# KiCad board main_display_board.kicad_pcb (continued)
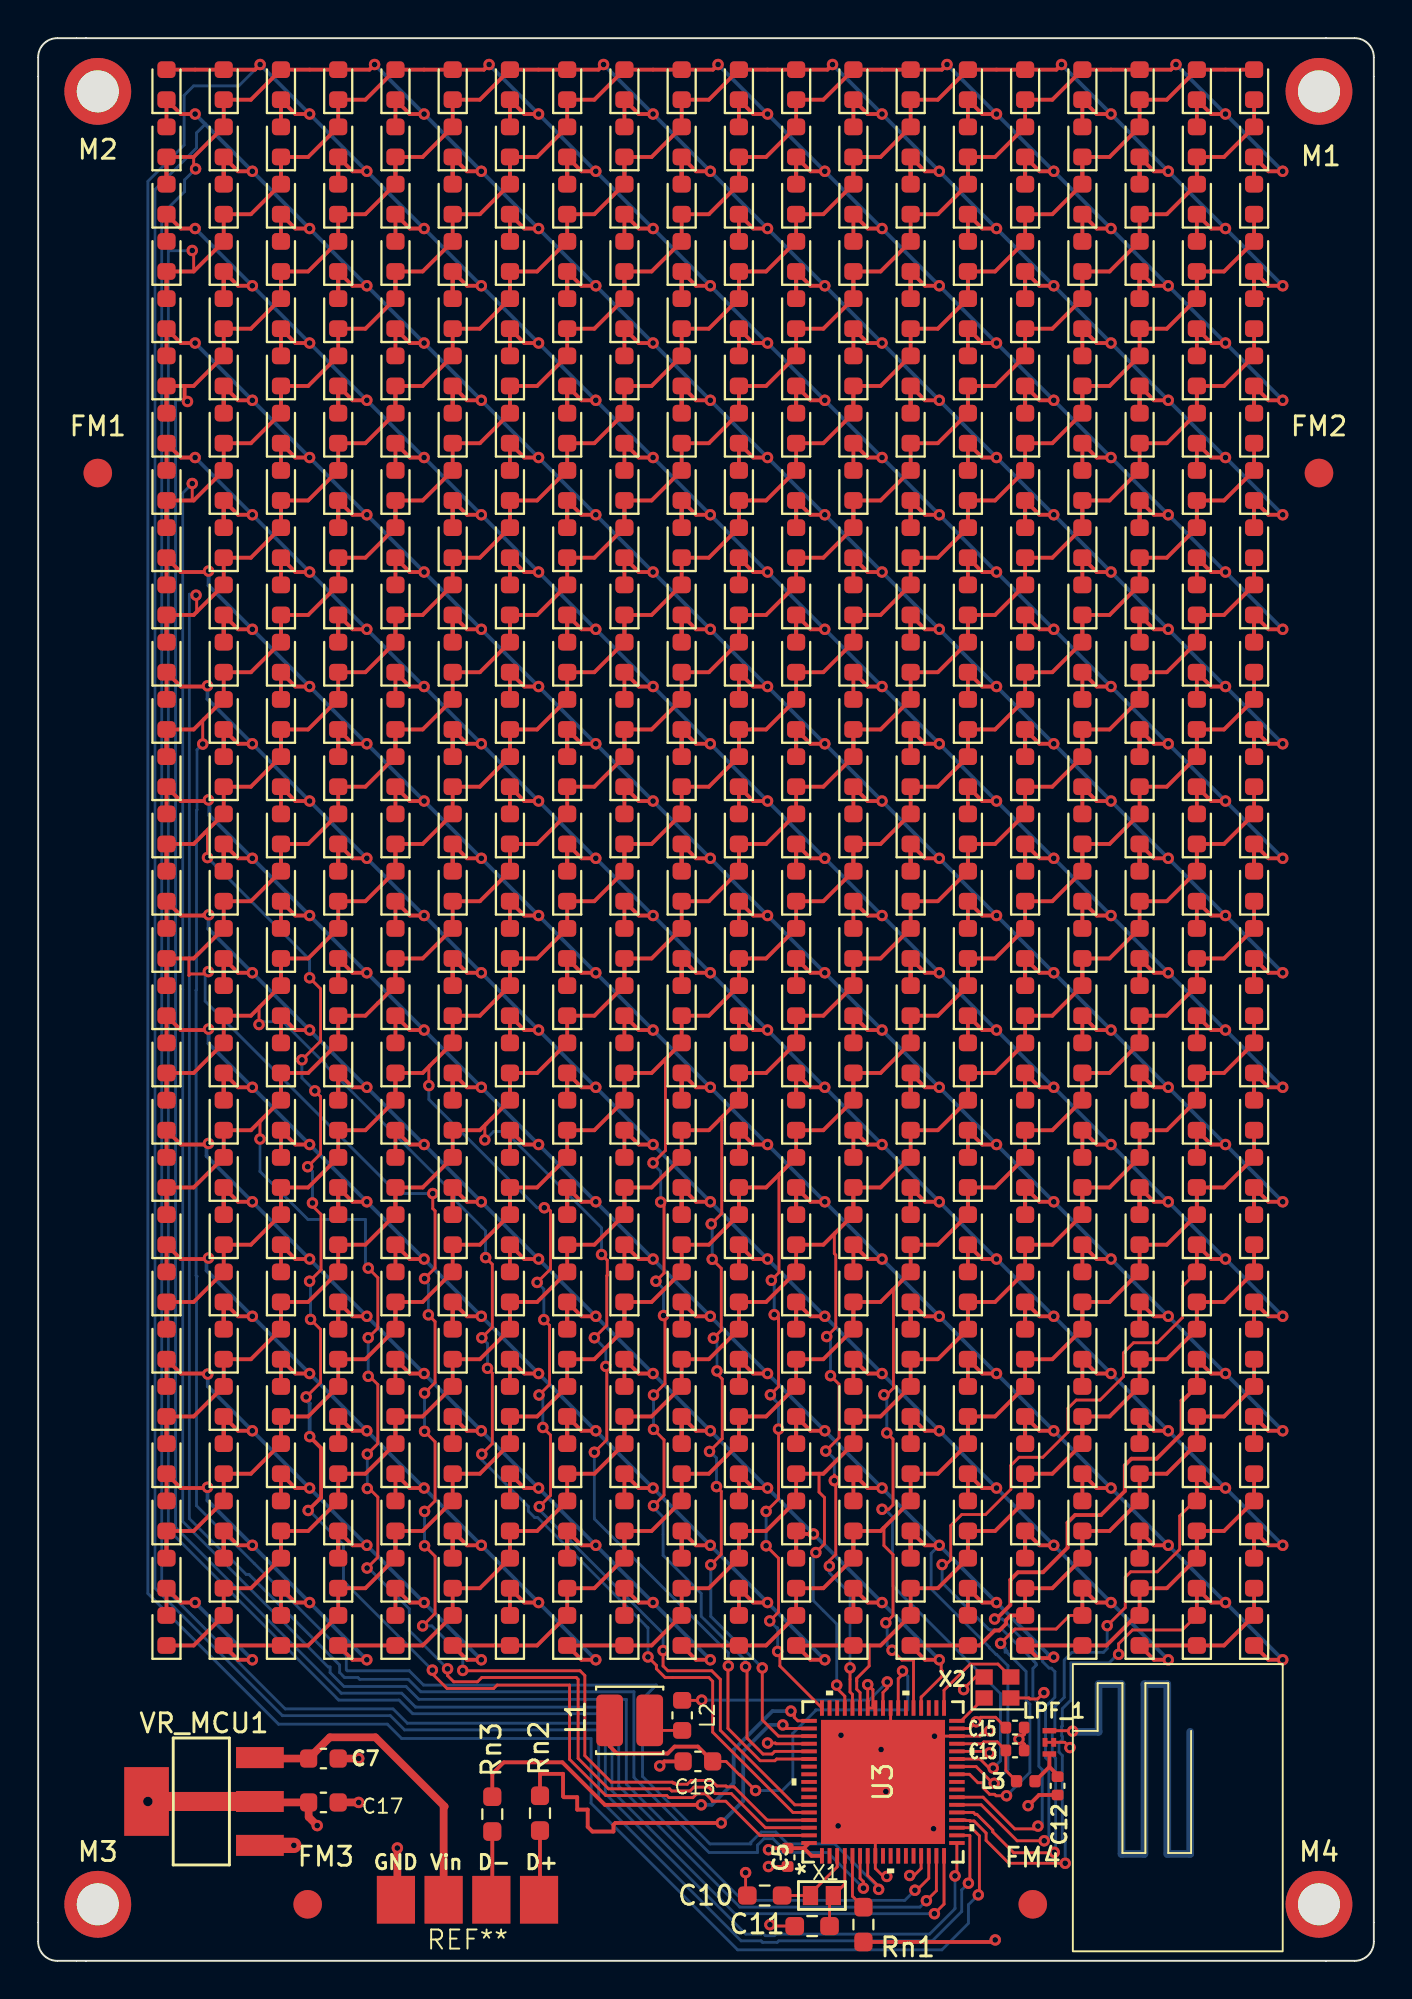
[diagram p0: board, top side]
## Routing (per net, layer and track width the routed paths; a pad name or vN(x,y) marks a point on that pad's centre or on a via; arc(x,y) is an arc through that point) (continued)
LED_27: length 143.9
  Top w0.15: 42.65,15.35 v1(42.55,15.35) 42.55,14.09 42.68,13.96 U3.47 ; v1(41.32,32.71) 41.8,33.19 41.8,36.99 41.73,37.06 41.73,38.1 41.76,38.13 ; v1(41.46,20.69) 41.46,20.96 41.8,21.3 41.8,24.94 41.73,25.01 v1(41.73,25.16) 41.73,25.46 ; v1(41.52,30.66) 41.97,30.21 41.97,27.41 v1(41.27,26.71)
  Top w0.2: REF**499.2 30.73,28.56 ; REF**499.2 REF**457.1 32.15,28.53 REF**458.2 REF**460.1 35.15,31.53 REF**463.2 ; REF**499.2 29.15,25.53 REF**496.1 REF**494.2 26.15,22.53 REF**493.1 REF**535.2 ; REF**427.2 42.73,40.56 ; REF**427.2 41.15,37.53 REF**424.1 REF**422.2 38.15,34.53 REF**421.1 REF**463.2 ; REF**427.2 REF**385.1 44.15,40.53 REF**386.2 REF**388.1 47.15,43.53 REF**391.2 ; REF**319.2 60.73,58.56 ; REF**319.2 59.15,55.53 REF**316.1 REF**314.2 56.15,52.53 REF**313.1 REF**355.2 ; REF**319.2 REF**277.1 62.15,58.53 REF**278.2 REF**280.1 ; REF**463.2 36.73,34.56 ; REF**481.2 REF**483.1 7.48,24.78 8.84,24.78 v1(8.88,24.81) ; REF**535.2 23.15,19.53 REF**532.1 REF**530.2 20.15,16.53 REF**529.1 REF**526.1 16.48,15.78 v1(17.23,15.78) ; REF**535.2 24.73,22.56 ; REF**524.2 9.73,22.56 REF**524.2 ; REF**524.2 REF**482.1 10.48,21.78 v1(11.23,21.78) ; REF**355.2 53.15,49.53 REF**352.1 REF**350.2 50.15,46.53 REF**349.1 REF**391.2 ; REF**355.2 54.73,52.56 ; REF**525.2 REF**527.1 13.48,18.78 v1(14.23,18.78) ; REF**391.2 48.73,46.56
  Bottom w0.15: v1(41.32,32.71) 41.32,32.66 41.52,32.46 v1(41.52,30.66) ; v1(41.46,20.69) 41.46,20.34 42.55,19.25 v1(42.55,15.35) ; v1(41.73,25.16) 41.73,26.31 41.37,26.66
  Bottom w0.2: v1(8.88,24.81) 8.88,24.12 v1(11.23,21.78) v1(14.23,18.78) v1(17.23,15.78)
LED_28: length 143
  Top w0.15: v1(41.85,14.45) 41.85,14.29 42.28,13.86 U3.48 ; v1(40.76,21.39) 41.21,21.84 41.21,24.28 40.93,24.56 40.93,25.53 ; 41.25,25.62 41.26,25.64
  Top w0.2: v1(26.23,18.78) 25.48,18.78 REF**535.1 REF**533.2 ; REF**471.2 48.73,34.56 ; REF**471.2 47.15,31.53 REF**468.1 REF**466.2 44.15,28.53 REF**465.1 REF**507.2 ; REF**471.2 REF**429.1 50.15,34.53 REF**430.2 REF**432.1 53.15,37.53 REF**435.2 ; REF**532.2 21.73,22.56 REF**532.2 ; REF**532.2 REF**490.1 22.48,21.78 v1(23.23,21.78) ; v1(11.23,33.78) 10.48,33.78 REF**402.1 REF**444.2 ; REF**543.2 36.73,22.56 ; REF**543.2 35.15,19.53 REF**540.1 REF**538.2 32.15,16.53 REF**537.1 REF**534.1 28.48,15.78 v1(29.23,15.78) ; REF**543.2 REF**501.1 38.15,22.53 REF**502.2 REF**504.1 41.15,25.53 REF**507.2 ; REF**488.2 15.73,28.56 REF**488.2 ; REF**488.2 REF**446.1 16.48,27.78 v1(17.23,27.78) ; v1(8.93,36.83) 8.79,36.83 8.74,36.78 7.48,36.78 REF**403.1 REF**401.2 ; REF**444.2 9.73,34.56 REF**444.2 ; REF**489.2 REF**491.1 19.48,24.78 v1(20.23,24.78) ; REF**399.2 REF**357.1 62.15,46.53 REF**358.2 REF**360.1 ; REF**399.2 59.15,43.53 REF**396.1 REF**394.2 56.15,40.53 REF**393.1 REF**435.2 ; REF**399.2 60.73,46.56 ; REF**445.2 REF**447.1 13.48,30.78 v1(14.23,30.78) ; REF**507.2 42.73,28.56 ; REF**435.2 54.73,40.56
  Bottom w0.15: v1(40.76,21.39) 40.62,21.26 40.62,18.88 41.85,17.65 v1(41.85,14.45)
  Bottom w0.2: v1(29.23,15.78) v1(26.23,18.78) v1(23.23,21.78) v1(20.23,24.78) v1(17.23,27.78) v1(14.23,30.78) v1(11.23,33.78) 8.82,36.18 8.82,36.73 v1(8.93,36.83)
SERIAL_D+: length 25.9
  Top w0.15: U3.53 39.21,12.17 v1(39.02,12.36)
  Top w0.2: REF**.4 26.3,3.25 Rn2.1 ; Rn2.2 26.3,9.8 27.51,9.8 27.51,8.62 27.55,8.58 28.25,8.58 28.25,7.93 28.8,7.93 28.8,7.03 29.05,6.78 30.15,6.78 30.15,7.12 30.25,7.22 v1(35.8,7.22)
  Bottom w0.2: v1(39.02,12.36) 38.33,12.36 36.95,10.99 36.95,8.38 v1(35.8,7.22)
SERIAL_D-: length 25.9
  Top w0.15: U3.52 39.81,12.57 39.62,12.76 39.62,12.91 v1(39.45,13.09)
  Top w0.2: Rn3.1 23.8,3.25 REF**.3 ; Rn3.2 23.8,9.8 24.4,10.4 27.47,10.4 29.7,8.18 v1(34.75,8.18)
  Bottom w0.2: v1(34.75,8.18) 35.3,8.18 36.45,9.33 36.45,11.05 38.48,13.09 v1(39.45,13.09)

## Copper pours and planes (outline as drawn; the poured copper is in the pictures)
/3.3V_PHONE on In1.Cu: 1.65,100.4 1.65,0.4 53.65,0.4 53.65,16.4 65.65,16.4 64.65,100.4
GND on In2.Cu: 1.65,100.4 1.65,0.4 53.65,0.4 53.65,16.4 65.65,16.4 65.65,0.4 68.65,0.4 67.65,100.4

## Text on the board
B.Silkscreen: LED MATRIX DISPLAY CASE / V1.0 / 10/31/2025 / LOOJY
F.Silkscreen: GND | Vin | D- | D+
